# Altium PCB ssmaster.PcbDoc (part 3 of 3)
Units mil, origin at the board's own origin, x right, y up, seen from the top; angles counter-clockwise.
Board outline 4055.12 x 2952.76 mil, 4 copper layers (Top Layer, Ground Plane 1, Mid-Layer 1, Bottom Layer); 141 components, 274 nets, 1070 pads, 469 vias.
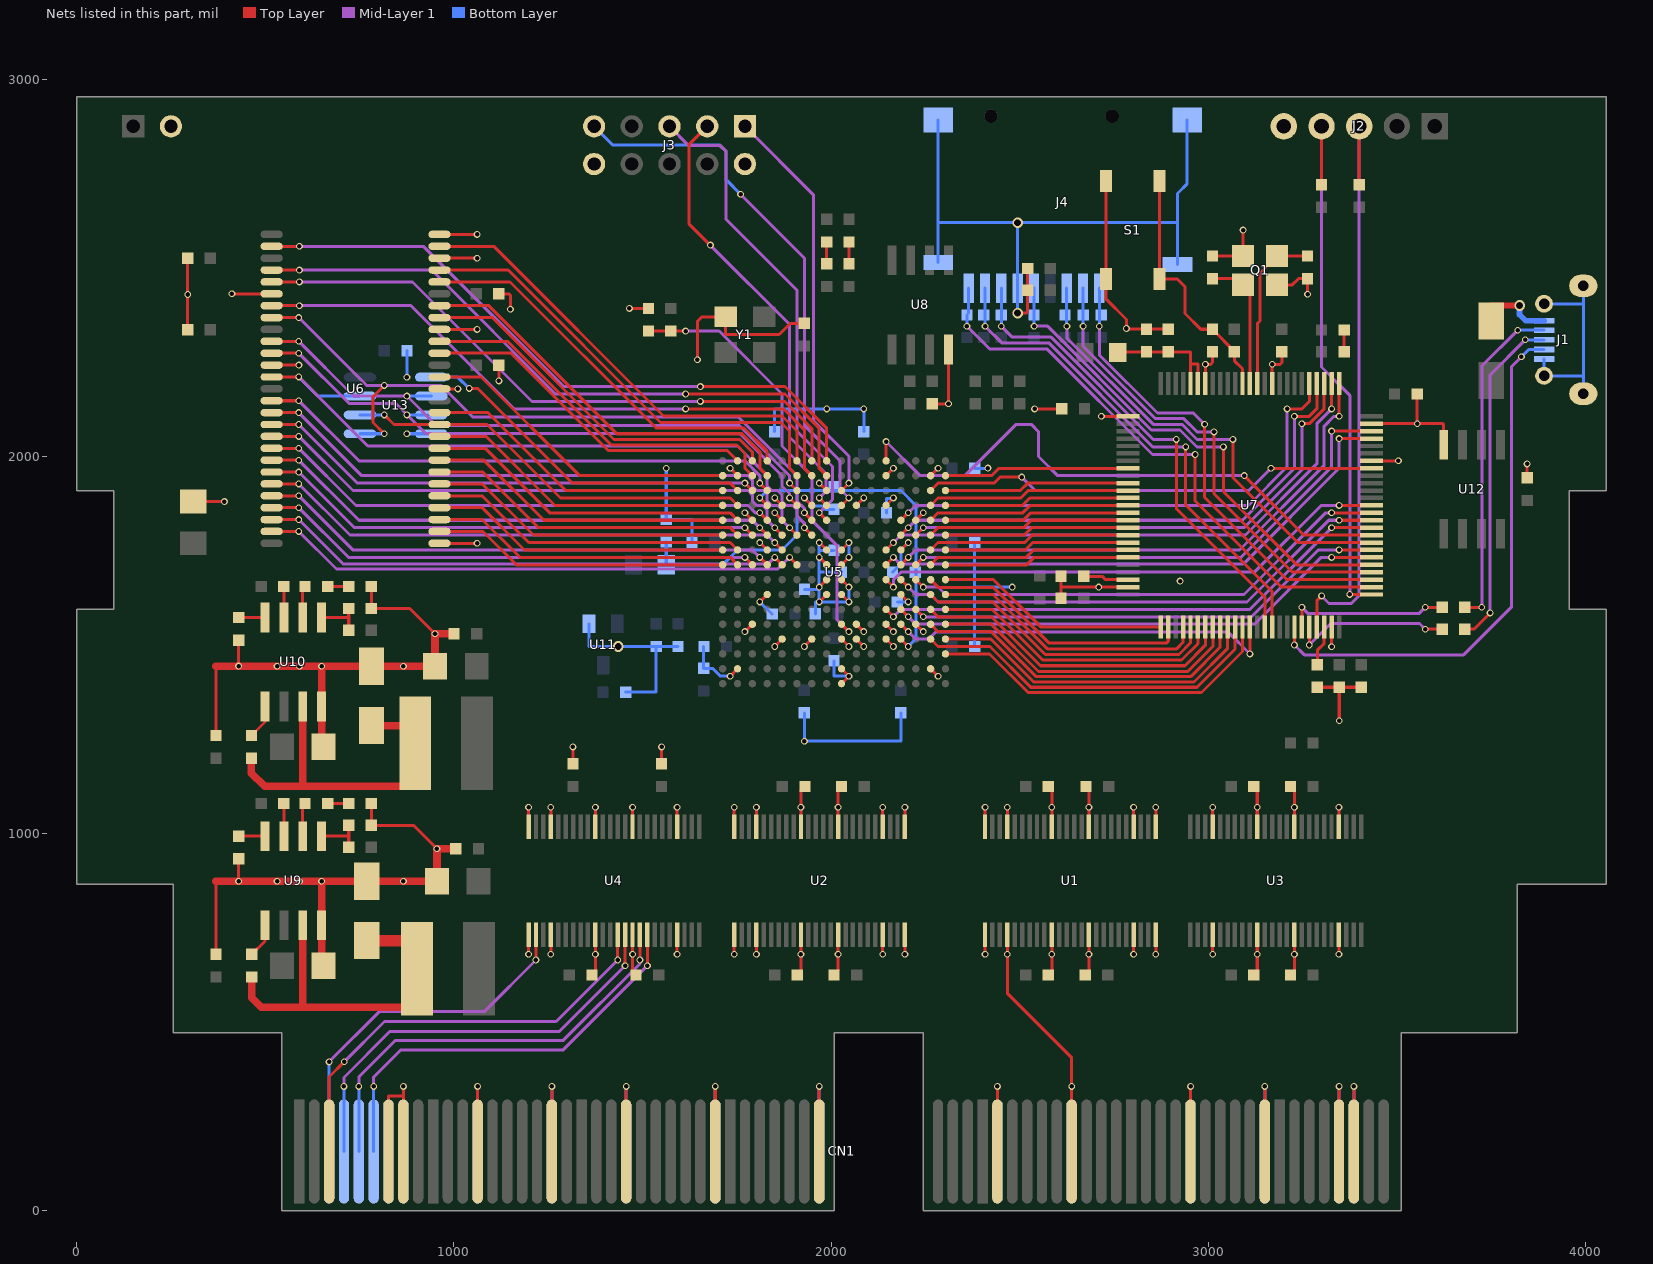
[diagram p5: the nets of this part, all layers, seen from the top]

## Via types
v1: diameter 18, hole 12, Top Layer to Bottom Layer, 444 vias
v2: diameter 28, hole 18, Top Layer to Bottom Layer, 25 vias

## Nets (pads, with @x,y where several pads share a name; then routed paths per layer and width w, separated by ;. In a path a pad name is that pad's centre, name@x,y a point inside that pad or via, vN(x,y) a via of type N, cw(c..) or ccw(c..) an arc to the next point about the centre after c; other vN are vias at no path point) (continued)
GND: C1.1 C2.1 C3.1 C4.1 C5.2 C6.2 C7.2 C8.1 C9.1 C10.1 C11.1 C12.1 C13.1 C14.1 C15.1 C16.2 C17.1 C18.1 C19.1 C20.1 C21.1 C24.2 C25.1 C26.1 C27.1 C30.2 C31.1 C32.1 C33.1 C34.1 C35.1 C36.1 C37.1 C38.1 C39.1 C40.1 C41.1 C42.1 C43.1 C44.1 C45.1 C46.1 C47.1 C48.1 C49.1 C50.1 C51.1 C52.1 C53.1 C54.1 C55.1 C56.1 C57.1 C58.1 C59.1 C60.1 C61.1 C62.1 C63.1 C64.1 C65.1 C66.1 C67.1 C68.1 C69.1 C70.1 C71.1 C72.1 C73.1 C74.1 C75.1 C76.1 C77.1 C78.1 CN1.A8 CN1.A13 CN1.A18 CN1.A23 CN1.A29 CN1.A36 CN1.A41 CN1.A46 CN1.A54 CN1.A59 CN1.A64 CN1.A65 CN1.B7 CN1.B8 CN1.B13 CN1.B18 CN1.B23 CN1.B29 CN1.B36 CN1.B41 CN1.B46 CN1.B54 CN1.B59 CN1.B64 CN1.B65 D5.1 D6.1 J1.5 J1.6 J1.7 J1.8 J1.9 J2.5 J3.2 J3.10 J4.6 J4.10 J4.11 J4.12 J4.13 J5.2 Q1.2 Q1.4 R7.1 R9.2 R10.1 R13.2 R14.1 S1.1 U1.1 U1.4 U1.10 U1.15 U1.21 U1.24 U1.25 U1.28 U1.34 U1.39 U1.45 U1.48 U2.1 U2.4 U2.10 U2.15 U2.21 U2.24 U2.25 U2.28 U2.34 U2.39 U2.45 U2.48 U3.4 U3.10 U3.15 U3.21 U3.28 U3.34 U3.39 U3.45 U4.1 U4.4 U4.10 U4.15 U4.21 U4.28 U4.34 U4.39 U4.45 U4.48 U5.B2 U5.B15 U5.C5 U5.C12 U5.D7 U5.D10 U5.E2 U5.E4 U5.E12 U5.E13 U5.G4 U5.G12 U5.G13 U5.H7 U5.H8 U5.H9 U5.H10 U5.H13 U5.H15 U5.H16 U5.J3 U5.J7 U5.J8 U5.J9 U5.J10 U5.K4 U5.K13 U5.M4 U5.M5 U5.M13 U5.N7 U5.N10 U5.P5 U5.P12 U5.R2 U5.R15 U6.6 U6.12 U6.28 U6.41 U6.46 U6.52 U6.54 U7.10 U7.19 U7.26 U7.49 U7.74 U7.94 U7.99 U8.4 U9.4 U10.4 U11.1 U12.4 U13.4 Y1.2 | length 20732.8
  Top Layer w8: C2.1@294.37,2336 v1(294.37,2429.13) C1.1@294.37,2525 ; C5.2@309.37,1880.12 v1(391.93,1880.12) ; C20.1@369.37,680 369.37,873.03 ; C26.1@369.37,1260 369.37,1443.03 ; v1(411.81,2430.97) U6.6@516.93,2430.97 ; v1(429.37,873.98) C21.1@429.37,933 ; v1(429.37,1443.98) C27.1@429.37,1513 ; U6.12@516.93,2241.99 v1(589.37,2241.99) ; R9.2@781.37,1080 R10.1@781.37,1022 893.25,1022 v1(955.25,960) ; R13.2@781.37,1655 R14.1@781.37,1597 882.99,1597 v1(949.99,1530) ; CN1.B7@826.77,157.48 826.77,305 866.14,305 ; CN1.B8@866.14,157.48 v1(866.14,330) ; U6.28@961.81,1769.55 v1(1061.42,1769.55) ; U6.41@961.81,2179 v1(1010.63,2179) ; U6.46@961.81,2336.48 v1(1061.42,2336.48) ; U6.52@961.81,2525.46 v1(1061.42,2525.46) ; U6.54@961.81,2588.45 v1(1061.42,2588.45) ; CN1.B13@1062.99,157.48 v1(1062.99,330) ; v1(1119.37,2200) C4.1@1119.37,2242 ; C3.1@1119.37,2431 1146,2431 1150,2427 v1(1150,2390) ; v1(1197.99,680) U4.1@1197.99,732.28 ; U4.48@1197.99,1017.72 v1(1197.99,1070) ; v1(1257.05,680) U4.4@1257.05,732.28 ; U4.45@1257.05,1017.72 v1(1257.05,1070) ; CN1.B18@1259.84,157.48 v1(1259.84,330) ; C64.1@1315.63,1185 v1(1315.63,1230) ; C67.1@1375.16,635.16 v1(1375.16,680) U4.10@1375.16,732.28 ; U4.39@1375.16,1017.72 v1(1375.16,1070) ; CN1.B23@1456.69,157.48 v1(1456.69,330) ; v1(1465.2,2392.2) R7.1@1515.75,2392.2 ; C68.1@1473.58,634.42 v1(1473.58,680) U4.15@1473.58,732.28 ; U4.34@1473.58,1017.72 v1(1473.58,1070) ; C63.1@1550.63,1185 v1(1550.63,1230) ; U4.21@1591.69,732.28 v1(1591.69,680) v1@1592.37,679.32 ; U4.28@1591.69,1017.72 v1(1591.69,1070) ; v1(1645.67,2255.91) 1645.67,2358.27 1657.48,2370.08 Y1.2@1720.47,2370.08 1720.47,2322.83 1862.2,2322.83 1892.2,2352.83 C18.1@1929.13,2352.83 ; CN1.B29@1692.91,157.48 v1(1692.91,330) ; v1(1732.28,1417.32) U5.R15@1751.97,1437.01 ; v1(1732.28,1968.5) U5.R2@1751.97,1948.82 ; v1(1742.99,680) U2.1@1742.99,732.28 ; U2.48@1742.99,1017.72 v1(1742.99,1070) ; v1(1771.65,1535.43) U5.P12@1791.34,1555.12 ; v1(1771.65,1850.39) U5.P5@1791.34,1830.71 ; v1(1802.05,680) U2.4@1802.05,732.28 ; U2.45@1802.05,1017.72 v1(1802.05,1070) ; v1(1811.02,1614.17) U5.N10@1830.71,1633.86 ; v1(1811.02,1771.65) U5.N7@1830.71,1751.97 ; v1(1850.39,1496.06) U5.M13@1870.08,1515.75 ; v1(1850.39,1850.39) U5.M5@1870.08,1830.71 ; v1(1850.39,1889.76) U5.M4@1870.08,1870.08 ; C66.1@1920.16,634.53 v1(1920.16,680) U2.10@1920.16,732.28 ; U2.39@1920.16,1017.72 v1(1920.16,1070) C61.1@1920.16,1114.53 ; v1(1929.13,1496.06) U5.K13@1948.82,1515.75 ; v1(1929.13,1889.76) U5.K4@1948.82,1870.08 ; CN1.B36@1968.5,157.48 v1(1968.5,330) ; v1(1968.5,1614.17) U5.J10@1988.19,1633.86 ; v1(1968.5,1653.54) U5.J9@1988.19,1673.23 ; v1(1968.5,1732.28) U5.J8@1988.19,1712.6 ; v1(1968.5,1771.65) U5.J7@1988.19,1751.97 ; v1(1968.5,1929.13) U5.J3@1988.19,1909.45 ; C65.1@2018.58,635.95 v1(2018.58,680) U2.15@2018.58,732.28 ; U2.34@2018.58,1017.72 v1(2018.58,1070) C62.1@2018.58,1115.95 ; U5.H16@2027.56,1397.64 v1(2047.24,1417.32) U5.H15@2027.56,1437.01 ; U5.H13@2027.56,1515.75 v1(2047.24,1496.06) ; U5.H10@2027.56,1633.86 v1(2047.24,1614.17) ; U5.H9@2027.56,1673.23 v1(2047.24,1653.54) ; U5.H8@2027.56,1712.6 v1(2047.24,1732.28) ; U5.H7@2027.56,1751.97 v1(2047.24,1771.65) ; U5.G13@2066.93,1515.75 v1(2086.62,1496.06) ; U5.G12@2066.93,1555.12 v1(2086.62,1535.43) ; U5.G4@2066.93,1870.08 v1(2086.62,1889.76) ; v1(2136.69,680) U2.21@2136.69,732.28 ; U2.28@2136.69,1017.72 v1(2136.69,1070) ; U5.E13@2145.67,1515.75 v1(2165.36,1496.06) ; U5.E12@2145.67,1555.12 v1(2165.36,1535.43) ; U5.E4@2145.67,1870.08 v1(2165.36,1889.76) ; U5.E2@2145.67,1948.82 v1(2165.36,1968.5) ; U5.D10@2185.04,1633.86 v1(2204.73,1614.17) ; U5.D7@2185.04,1751.97 v1(2204.73,1771.65) ; v1(2195.75,680) U2.24@2195.75,732.28 ; U2.25@2195.75,1017.72 v1(2195.75,1070) ; U5.C12@2224.41,1555.12 v1(2244.1,1535.43) ; U5.C5@2224.41,1830.71 v1(2244.1,1850.39) ; U5.B15@2263.78,1437.01 v1(2283.46,1417.32) ; U5.B2@2263.78,1948.82 v1(2283.47,1968.5) ; C17.1@2267.72,2139.29 v1(2311.22,2139.29) U8.4@2311.22,2283.46 ; v1(2407.99,680) U1.1@2407.99,732.28 ; U1.48@2407.99,1017.72 v1(2407.99,1070) ; CN1.B41@2440.95,157.48 v1(2440.95,330) ; U1.4@2467.05,732.28 v1(2467.05,680) 2467.05,576.58 2637.8,405.83 v1(2637.8,330) CN1.B46@2637.8,157.48 ; U1.45@2467.05,1017.72 v1(2467.05,1070) ; v2(2494.46,2380) 2518,2380 2521,2383 C73.1@2521,2440 C74.1@2521,2498 ; v1(2539.37,2125.98) C10.1@2611.73,2125.98 ; C72.1@2585.16,634.53 v1(2585.16,680) U1.10@2585.16,732.28 ; U1.39@2585.16,1017.72 v1(2585.16,1070) C60.1@2585.16,1115.47 ; C11.1@2609.63,1624 C75.1@2609.63,1682 ; 2610.09,1653.54 v1(2709.54,1653.54) U7.49@2787.4,1653.54 ; C71.1@2683.58,634.95 v1(2683.58,680) U1.15@2683.58,732.28 ; U1.34@2683.58,1017.72 v1(2683.58,1070) C59.1@2683.58,1117.05 ; v1@2716.54,2106.3 U7.26@2787.4,2106.3 ; S1.1@2729.13,2729.92 S1.1@2729.13,2470.08 2729.13,2416.87 2783,2363 v1(2783,2339) 2784.91,2337.09 C14.1@2893.7,2337.09 ; v1(2801.69,680) U1.21@2801.69,732.28 ; U1.28@2801.69,1017.72 v1(2801.69,1070) ; v1(2860.75,680) U1.24@2860.75,732.28 ; U1.25@2860.75,1017.72 v1(2860.75,1070) ; CN1.B54@2952.76,157.48 v1(2952.76,330) ; U7.19@2992.13,2192.91 v1(2992.13,2244.09) 3006.09,2244.09 3011,2249 C16.2@3011,2277 ; C7.2@3011,2531 Q1.4@3091.34,2531 ; v1(3011.55,680) U3.4@3011.55,732.28 ; U3.45@3011.55,1017.72 v1(3011.55,1070) ; Q1.4@3091.72,2531.39 v1@3091.72,2599.72 ; C70.1@3129.66,634.03 v1(3129.66,680) U3.10@3129.66,732.28 ; U3.39@3129.66,1017.72 v1(3129.66,1070) C58.1@3129.66,1115.97 ; CN1.B59@3149.61,157.48 v1(3149.61,330) ; U7.10@3169.29,2192.91 v1(3169.29,2244.09) 3190.09,2244.09 3195,2249 C9.1@3195,2277 ; Q1.2@3182.28,2454.61 3222.61,2454.61 3239,2471 C6.2@3263,2471 v1(3263,2430) ; C69.1@3228.08,635.45 v1(3228.08,680) U3.15@3228.08,732.28 ; U3.34@3228.08,1017.72 v1(3228.08,1070) C57.1@3228.08,1114.55 ; C76.1@3289,1388 C12.1@3347,1388 ; v1(3326.77,1495.38) U7.74@3326.77,1547.24 ; v1(3346.19,680) U3.21@3346.19,732.28 ; U3.28@3346.19,1017.72 v1(3346.19,1070) ; CN1.B64@3346.46,157.48 v1(3346.46,330) ; v1(3347,1299) C12.1@3347,1388 ; CN1.B65@3385.83,157.48 v1(3385.83,330) ; C13.1@3405,1388 C12.1@3347,1388 ; U7.94@3433.07,1988.19 v1(3503.94,1988.19) ; U7.99@3433.07,2086.61 3503.94,2086.61 v1(3553.62,2086.61) ; C8.1@3553.62,2165.35 v1(3553.62,2086.61) ; U12.4@3624,2031.11 3624,2084 3621.39,2086.61 v1(3553.62,2086.61) ; C77.1@3845,1943 v1(3845,1980)
  Top Layer w20: 369.37,873.74 v1(531.5,873.74) v1(590.55,873.74) D5.1@769.37,873.74 v1(866.14,873.74) C24.2@954.99,873.74 ; 369.37,1443.74 v1(531.5,1443.74) v1(590.55,1443.74) D6.1@781.37,1443.74 v1(866.14,1443.74) 949.99,1443.74 v1(949.99,1530) C55.1@1000.37,1530 ; C19.1@649.37,655.12 U9.4@649.37,756.89 v1(649.37,873.74) ; C25.1@649.37,1235.12 U10.4@649.37,1336.89 v1(649.37,1443.5) ; C24.2@955.25,874 v1(955.25,960) C54.1@1005.37,960
  Bottom Layer w8: CN1.A8@866.14,157.48 v1(866.14,330) ; v1(875.63,2060) U13.4@940.12,2060 ; v1(875.63,2210) C78.1@875.63,2280 ; CN1.A13@1062.99,157.48 v1(1062.99,330) ; CN1.A18@1259.84,157.48 v1(1259.84,330) ; U11.1@1358.23,1555.92 1358.23,1496 C32.1@1536.37,1496 ; C31.1@1455.56,1375 1536.37,1375 C32.1@1536.37,1496 ; CN1.A23@1456.69,157.48 v1(1456.69,330) ; v1(1562.99,1968.5) C49.1@1562.99,1833.15 1631.42,1833.15 C40.1@1631.42,1771.65 ; C56.1@1594.37,1496 C32.1@1536.37,1496 ; C41.1@1662.37,1495.52 C39.1@1662.37,1438 1686.37,1438 1707.05,1417.32 v1(1732.28,1417.32) ; CN1.A29@1692.91,157.48 v1(1692.91,330) ; v1(1811.02,1614.17) C52.1@1843.19,1582 ; C47.1@1850.39,2065.43 1850.39,2125.98 v1(1988.19,2125.98) v1(2086.61,2125.98) C46.1@2086.61,2065.43 ; C42.1@1929.13,1320.39 v1(1929.13,1245) 2185.04,1245 C43.1@2185.04,1320.39 ; v1(1929.13,1889.76) 1950.5,1868.39 1975.96,1868.39 1984.59,1859.76 C50.1@2007.87,1859.76 ; C37.1@1929.37,1647.44 1968.5,1647.44 v1(1968.5,1614.17) v1(2047.24,1614.17) v1(2047.24,1653.54) ; C38.1@1958.19,1582.68 1958.19,1614.17 ; CN1.A36@1968.5,157.48 v1(1968.5,330) ; v1(1968.5,1653.54) v1(1968.5,1732.28) v1(1968.5,1771.65) ; 1968.5,1692.91 C36.1@2027.28,1692.91 ; 1969.37,1751.1 C35.1@2007.87,1751.1 ; C53.1@2007.87,1458.19 2007.87,1417.32 v1(2047.24,1417.32) ; v1(2047.24,1732.28) v1(2047.24,1771.65) ; C33.1@2146.61,1850.39 2146.61,1888.82 v1@2164.41,1888.82 ; C51.1@2162.91,1692.91 2185.04,1715.04 2185.04,1751.97 v1(2204.73,1771.65) ; C34.1@2175.67,1614.17 v1(2204.73,1614.17) ; J4.11@2284,2514 J4.12@2284,2892 ; 2284.54,2619.54 v2(2494.46,2619.54) ; C44.1@2380.39,1496.06 2380.39,1653.54 ; C45.1@2380.39,1771.65 2380.39,1653.54 ; C48.1@2380.39,1968.5 v1@2415.63,1968.5 ; CN1.A41@2440.95,157.48 v1(2440.95,330) ; v1(2480.32,1653.54) 2380.39,1653.54 ; v2(2494.46,2380) J4.6@2494.46,2446 v2(2494.46,2619.54) ; CN1.A46@2637.8,157.48 v1(2637.8,330) ; 2917.46,2619.54 v2(2494.46,2619.54) ; J4.10@2918,2509 2918,2697 2944,2723 J4.13@2944,2892 ; CN1.A54@2952.76,157.48 v1(2952.76,330) ; CN1.A59@3149.61,157.48 v1(3149.61,330) ; CN1.A64@3346.46,157.48 v1(3346.46,330) ; CN1.A65@3385.83,157.48 v1(3385.83,330) ; J1.5@3890,2258 J1.9@3890,2213.5 3992.5,2213.5 ; J1.8@3890,2404.5 3993.5,2404.5 ; J1.6@3994,2166 J1.7@3994,2452
  other v1: 2925.2,1669.29 2415.63,1969 2716.54,2106.2 3092,2600
  other v2: 1435.63,1496
GPIO0: U5.A2 U7.33 | length 492.4
  Top Layer w8: U5.A2@2303.15,1948.82 2425.45,1948.82 2445.13,1968.5 U7.33@2787.4,1968.5
GPIO2: U5.A3 U7.35 | length 492.4
  Top Layer w8: U5.A3@2303.15,1909.45 2501.45,1909.45 2521.13,1929.13 U7.35@2787.4,1929.13
GPIO3: U5.B4 U7.36 | length 539.9
  Top Layer w8: U5.B4@2263.78,1870.08 2283.46,1889.76 2502.76,1889.76 2522.45,1909.45 U7.36@2787.4,1909.45
I2S2_MCK: U5.D12 U7.63 | length 1043.6
  Top Layer w8: U5.D12@2185.04,1555.12 v1(2204.73,1535.43) ; v1(3110.24,1476.38) U7.63@3110.24,1547.24
  Mid-Layer 1 w8: v1(2204.73,1535.43) 2224.16,1516 2259,1516 2277,1534 3052.61,1534 v1(3110.24,1476.38)
IBCK: CN1.A5 U4.16 | length 1143.9
  Top Layer w8: v1(1493.27,665) U4.16@1493.27,732.28
  Mid-Layer 1 w8: v1(748.03,330) 748.03,354.66 845.37,452 1290,452 1493.27,655.27 v1(1493.27,665)
  Bottom Layer w8: CN1.A5@748.03,157.48 v1(748.03,330)
ILRCK: CN1.A6 U4.17 | length 1127.5
  Top Layer w8: v1(1512.95,650) U4.17@1512.95,732.28
  Mid-Layer 1 w8: v1(787.4,330) 787.4,354.97 858.43,426 1288.95,426 v1(1512.95,650)
  Bottom Layer w8: CN1.A6@787.4,157.48 v1(787.4,330)
ISD: CN1.A4 U4.14 | length 1146.5
  Top Layer w8: v1(1453.9,650) U4.14@1453.9,732.28
  Mid-Layer 1 w8: v1(708.66,330) 708.66,353.71 830.95,476 1279.9,476 v1(1453.9,650)
  Bottom Layer w8: CN1.A4@708.66,157.48 v1(708.66,330)
MA0: U5.N8 U6.23 | length 1389.9
  Top Layer w8: U6.23@516.93,1895.54 v1(588.98,1895.54) ; v1(1811.02,1732.28) U5.N8@1830.71,1712.6
  Mid-Layer 1 w8: v1(588.98,1895.54) 732.96,1751.55 1139.98,1751.55 1140.4,1751.97 1791.34,1751.97 v1(1811.02,1732.28)
MA1: U5.P8 U6.24 | length 1337.1
  Top Layer w8: U6.24@516.93,1864.04 v1(588.98,1864.04) ; v1(1771.65,1732.28) U5.P8@1791.34,1712.6
  Mid-Layer 1 w8: v1(588.98,1864.04) 720.73,1732.28 v1(1771.65,1732.28)
MA2: U5.M8 U6.25 | length 1417.7
  Top Layer w8: U6.25@516.93,1832.54 v1(588.98,1832.54) ; v1(1850.39,1732.28) U5.M8@1870.08,1712.6
  Mid-Layer 1 w8: v1(588.98,1832.54) 707.23,1714.28 1832.39,1714.28 v1(1850.39,1732.28)
MA3: U5.L8 U6.26 | length 1454.8
  Top Layer w8: U6.26@516.93,1801.05 v1(588.98,1801.05) ; v1(1889.76,1732.28) U5.L8@1909.45,1712.6
  Mid-Layer 1 w8: v1(588.98,1801.05) 688.74,1701.28 1858.76,1701.28 v1(1889.76,1732.28)
MA4: U5.T8 U6.29 | length 787.4
  Top Layer w8: U6.29@961.81,1801.05 1077.32,1801.05 1165.77,1712.6 U5.T8@1712.6,1712.6
MA5: U5.R8 U6.30 | length 839.8
  Top Layer w8: U6.30@961.81,1832.54 1074.83,1832.54 1175.09,1732.28 1732.28,1732.28 U5.R8@1751.97,1712.6
MA6: U5.T7 U6.31 | length 797.2
  Top Layer w8: U6.31@961.81,1864.04 1075.33,1864.04 1187.4,1751.97 U5.T7@1712.6,1751.97
MA7: U5.R7 U6.32 | length 849.6
  Top Layer w8: U6.32@961.81,1895.54 1074.83,1895.54 1198.72,1771.65 1732.28,1771.65 U5.R7@1751.97,1751.97
MA8: U5.T6 U6.33 | length 807
  Top Layer w8: U6.33@961.81,1927.03 1075.34,1927.03 1211.03,1791.34 U5.T6@1712.6,1791.34
MA9: U5.R6 U6.34 | length 859.4
  Top Layer w8: U6.34@961.81,1958.53 1076.84,1958.53 1224.35,1811.02 1732.28,1811.02 U5.R6@1751.97,1791.34
MA10: U5.M7 U6.22 | length 1425.7
  Top Layer w8: U6.22@516.93,1927.03 v1(588.98,1927.03) ; v1(1850.39,1771.65) U5.M7@1870.08,1751.97
  Mid-Layer 1 w8: v1(588.98,1927.03) 724.67,1791.34 1830.71,1791.34 v1(1850.39,1771.65)
MA11: U5.T5 U6.35 | length 816.8
  Top Layer w8: U6.35@961.81,1990.02 1079.35,1990.02 1238.66,1830.71 U5.T5@1712.6,1830.71
MA12: U5.R5 U6.36 | length 869.2
  Top Layer w8: U6.36@961.81,2021.52 1082.85,2021.52 1253.98,1850.39 1732.28,1850.39 U5.R5@1751.97,1830.71
MBA0: U5.N6 U6.20 | length 1396.1
  Top Layer w8: U6.20@516.93,1990.02 v1(588.98,1990.02) ; v1(1811.02,1811.02) U5.N6@1830.71,1791.34
  Mid-Layer 1 w8: v1(588.98,1990.02) 748.29,1830.71 1791.34,1830.71 v1(1811.02,1811.02)
MBA1: U5.P6 U6.21 | length 1343.7
  Top Layer w8: U6.21@516.93,1958.53 v1(588.98,1958.53) ; v1(1771.65,1811.02) U5.P6@1791.34,1791.34
  Mid-Layer 1 w8: v1(588.98,1958.53) 736.48,1811.02 v1(1771.65,1811.02)
MCAS: U5.P3 U6.17 | length 1346.9
  Top Layer w8: U6.17@516.93,2084.51 v1(588.98,2084.51) ; v1(1771.65,1929.13) U5.P3@1791.34,1909.45
  Mid-Layer 1 w8: v1(588.98,2084.51) 744.35,1929.13 v1(1771.65,1929.13)
MCKE: U5.T4 U6.37 | length 826.6
  Top Layer w8: U6.37@961.81,2053.02 1085.35,2053.02 1268.29,1870.08 U5.T4@1712.6,1870.08
MCLK: U5.R4 U6.38 U13.6 | length 1100.2
  Top Layer w8: v1(815.63,2110) 841.12,2084.51 U6.38@961.81,2084.51 1087.86,2084.51 1282.61,1889.76 1732.28,1889.76 U5.R4@1751.97,1870.08
  Bottom Layer w8: U13.6@751.14,2110 v1(815.63,2110)
MCS: U5.N5 U6.19 | length 1392.8
  Top Layer w8: U6.19@516.93,2021.52 v1(588.98,2021.52) ; v1(1811.02,1850.39) U5.N5@1830.71,1830.71
  Mid-Layer 1 w8: v1(588.98,2021.52) 740.42,1870.08 1779.53,1870.08 1799.21,1850.39 v1(1811.02,1850.39)
MD0: U5.J1 U6.2 | length 1757.6
  Top Layer w8: U6.2@516.93,2556.95 v1(590.55,2556.95) ; v1(1653.54,2185.04) 1877.96,2185.04 1988.19,2074.81 U5.J1@1988.19,1988.19
  Mid-Layer 1 w8: v1(590.55,2556.95) 919.05,2556.95 1290.96,2185.04 v1(1653.54,2185.04)
MD1: U5.J2 U6.4 | length 1759.2
  Top Layer w8: U6.4@516.93,2493.96 v1(590.55,2493.96) ; v1(1614.17,2165.35) 1877.65,2165.35 1968.5,2074.5 1968.5,1968.5 U5.J2@1988.19,1948.82
  Mid-Layer 1 w8: v1(590.55,2493.96) 941.04,2493.96 1269.65,2165.35 v1(1614.17,2165.35)
MD2: U5.K1 U6.5 | length 1678.7
  Top Layer w8: U6.5@516.93,2462.46 v1(590.55,2462.46) ; v1(1653.54,2145.67) 1877.33,2145.67 1948.82,2074.18 U5.K1@1948.82,1988.19
  Mid-Layer 1 w8: v1(590.55,2462.46) 890.17,2462.46 1206.96,2145.67 v1(1653.54,2145.67)
MD3: U5.K2 U6.7 | length 1678.5
  Top Layer w8: U6.7@516.93,2399.47 v1(590.55,2399.47) ; v1(1614.17,2125.98) 1874.02,2125.98 1929.13,2070.87 1929.13,1968.5 U5.K2@1948.82,1948.82
  Mid-Layer 1 w8: v1(590.55,2399.47) 886.16,2399.47 1159.65,2125.98 v1(1614.17,2125.98)
MD4: U5.K5 U6.8 U13.5 | length 1917.9
  Top Layer w8: U6.8@516.93,2367.98 v1(588.98,2367.98) ; v1(815.63,2060) 785.63,2090 785.63,2158 v1(815.63,2188) ; v1(1929.13,1850.39) U5.K5@1948.82,1830.71
  Mid-Layer 1 w8: v1(588.98,2367.98) 768.95,2188 v1(815.63,2188) 966.63,2188 1049.63,2105 1753.26,2105 1909.45,1948.82 1909.45,1881.89 1929.13,1862.21 v1(1929.13,1850.39)
  Bottom Layer w8: U13.5@751.14,2060 v1(815.63,2060)
MD5: U5.L3 U6.10 U13.2 | length 1632.4
  Top Layer w8: U6.10@516.93,2304.98 v1(588.98,2304.98) ; v1(1889.76,1929.13) U5.L3@1909.45,1909.45
  Mid-Layer 1 w8: v1(588.98,2304.98) 733.96,2160 v1(875.63,2160) 953.63,2082 1756.58,2082 1889.76,1948.82 v1(1889.76,1929.13)
  Bottom Layer w8: v1(875.63,2160) U13.2@940.12,2160
MD6: U5.L4 U6.11 U13.3 | length 1647.2
  Top Layer w8: U6.11@516.93,2273.49 v1(588.98,2273.49) ; v1(1889.76,1889.76) U5.L4@1909.45,1870.08
  Mid-Layer 1 w8: v1(588.98,2273.49) 722.46,2140 845.63,2140 v1(875.63,2110) 924.63,2061 1757.89,2061 1870.08,1948.82 1870.08,1921.26 1889.76,1901.58 v1(1889.76,1889.76)
  Bottom Layer w8: v1(875.63,2110) U13.3@940.12,2110
MD7: U5.K6 U6.13 U13.7 | length 1830.1
  Top Layer w8: U6.13@516.93,2210.5 v1(588.98,2210.5) ; v1(1929.13,1811.02) U5.K6@1948.82,1791.34
  Mid-Layer 1 w8: v1(588.98,2210.5) 771.91,2027.56 1751.96,2027.56 1830.71,1948.82 1830.71,1921.26 1842.52,1909.45 1858.27,1909.45 1870.08,1897.64 1870.08,1881.89 1881.89,1870.08 1897.64,1870.08 1909.45,1858.27 1909.45,1842.52 1929.13,1822.84 v1(1929.13,1811.02)
  Bottom Layer w8: v1(588.98,2210.5) 639.47,2160 U13.7@751.14,2160
MD8: U5.T2 U6.42 | length 859.2
  Top Layer w8: U6.42@961.81,2210.5 1071.87,2210.5 1333.55,1948.82 U5.T2@1712.6,1948.82
MD9: U5.R1 U6.44 | length 908.3
  Top Layer w8: U6.44@961.81,2273.49 1151.51,2273.49 1410,2015 1725.16,2015 U5.R1@1751.97,1988.19
MD10: U5.P2 U6.45 | length 1000.1
  Top Layer w8: U6.45@961.81,2304.98 1142.4,2304.98 1417.38,2030 1749.52,2030 1771.65,2007.87 1771.65,1968.5 U5.P2@1791.34,1948.82
MD11: U5.P1 U6.47 | length 1000.7
  Top Layer w8: U6.47@961.81,2367.98 1101.79,2367.98 1424.77,2045 1758.15,2045 1791.34,2011.81 U5.P1@1791.34,1988.19
MD12: U5.N2 U6.48 | length 1081.3
  Top Layer w8: U6.48@961.81,2399.47 1092.53,2399.47 1432,2060 1763.53,2060 1811.02,2012.51 1811.02,1968.5 U5.N2@1830.71,1948.82
MD13: U5.N1 U6.50 | length 1080.1
  Top Layer w8: U6.50@961.81,2462.46 1148.91,2462.46 1536.37,2075 1769,2075 1830.71,2013.29 U5.N1@1830.71,1988.19
MD14: U5.L2 U6.51 | length 1231.3
  Top Layer w8: U6.51@961.81,2493.96 1144.04,2493.96 1548,2090 1867,2090 1889.76,2067.24 1889.76,1968.5 U5.L2@1909.45,1948.82
MD15: U5.L1 U6.53 | length 1229.7
  Top Layer w8: U6.53@961.81,2556.95 1106.05,2556.95 1556,2107 1870,2107 1909.45,2067.55 U5.L1@1909.45,1988.19
MLDQM: U5.N3 U6.15 | length 1423.9
  Top Layer w8: U6.15@516.93,2147.5 v1(588.98,2147.5) ; v1(1811.02,1929.13) U5.N3@1830.71,1909.45
  Mid-Layer 1 w8: v1(588.98,2147.5) 748.29,1988.19 1771.65,1988.19 1811.02,1948.82 v1(1811.02,1929.13)
MRAS: U5.M6 U6.18 | length 1486.9
  Top Layer w8: U6.18@516.93,2053.02 v1(588.98,2053.02) ; v1(1850.39,1811.02) U5.M6@1870.08,1791.34
  Mid-Layer 1 w8: v1(588.98,2053.02) 732.54,1909.45 1779.53,1909.45 1791.34,1897.64 1791.34,1881.89 1803.15,1870.08 1818.9,1870.08 1830.71,1858.27 1830.71,1830.71 v1(1850.39,1811.02)
MSEL1: R6.1 R7.2 U5.H12 | length 1154.6
  Top Layer w8: R7.2@1515.75,2332.2 R6.1@1574.8,2332.2 v1(1614.17,2332.2) ; U5.H12@2027.56,1555.12 v1(2047.24,1535.43)
  Mid-Layer 1 w8: v1(1614.17,2332.2) 1703.23,2332.2 1870.08,2165.35 1870.08,2027.56 1948.82,1948.82 1948.82,1830.71 2016.24,1763.28 2016.24,1566.43 v1(2047.24,1535.43)
MUDQM: U5.T3 U6.39 | length 836.3
  Top Layer w8: U6.39@961.81,2116.01 1090.36,2116.01 1296.92,1909.45 U5.T3@1712.6,1909.45
MWE: U5.L6 U6.16 | length 1563.9
  Top Layer w8: U6.16@516.93,2116.01 v1(588.98,2116.01) ; v1(1889.76,1811.02) U5.L6@1909.45,1791.34
  Mid-Layer 1 w8: v1(588.98,2116.01) 756.16,1948.82 1779.53,1948.82 1791.34,1937.01 1791.34,1921.26 1803.15,1909.45 1822.83,1909.45 1830.71,1901.57 1830.71,1881.89 1842.52,1870.08 1858.27,1870.08 1870.08,1858.27 1870.08,1830.71 v1(1889.76,1811.02)
NetC14_2: C14.2 C15.2 L1.2 U7.20 U7.21 | length 346.5
  Top Layer w8: L1.2@2761.34,2277.09 C14.2@2893.7,2277.09 2952.76,2277.09 U7.21@2952.76,2192.91 ; 2953.48,2244.81 2972.44,2244.81 U7.20@2972.44,2192.91
NetC16_1: C16.1 R1.1 S1.2 U7.14 | length 673.7
  Top Layer w8: S1.2@2870.87,2729.92 S1.2@2870.87,2470.08 2917.92,2470.08 2938,2450 2938,2379 2980,2337 C16.1@3011,2337 3069,2279 R1.1@3069,2277 3069,2253.83 3090.55,2232.28 U7.14@3090.55,2192.91
NetC21_2: C21.2 U9.8 | length 69.9
  Top Layer w8: C21.2@429.48,993.11 U9.8@499.37,993.11
NetC22_1: C22.1 R9.1 | length 56
  Top Layer w8: C22.1@665.37,1080 R9.1@721.37,1080
NetC22_2: C22.2 U9.6 | length 80.9
  Top Layer w8: U9.6@599.37,993.11 C22.2@599.37,1074
NetC23_1: C23.1 D5.2 L2.1 U9.3 | length 878.6
  Top Layer w20: C23.1@464.37,620 464.37,565 489.37,540 599.37,540 ; U9.3@599.37,756.89 599.37,540 ; L2.1@902.68,540 599.37,540
  Top Layer w30: D5.2@769.37,716.26 L2.1@927.37,716.26
NetC23_2: C23.2 U9.1 | length 91.4
  Top Layer w8: C23.2@464.37,680 499.37,715 U9.1@499.37,756.89
NetC27_2: C27.2 U10.8 | length 69.9
  Top Layer w8: C27.2@429.48,1573.11 U10.8@499.37,1573.11
NetC28_1: C28.1 R13.1 | length 56
  Top Layer w8: C28.1@665.37,1655 R13.1@721.37,1655
NetC28_2: C28.2 U10.6 | length 75.9
  Top Layer w8: U10.6@599.37,1573.11 C28.2@599.37,1649
NetC29_1: C29.1 D6.2 L3.1 U10.3 | length 876.4
  Top Layer w20: C29.1@463.37,1200 463.37,1160 498.37,1125 L3.1@927.37,1125 ; 599.37,1125 U10.3@599.37,1336.89 ; D6.2@781.37,1286.26 L3.1@927.37,1286.26
NetC29_2: C29.2 U10.1 | length 91.8
  Top Layer w8: C29.2@463.37,1260 499.37,1296 U10.1@499.37,1336.89
NetC49_2: C49.2 C50.2 C51.2 L4.2 U5.D13 U5.N4 | length 1433.4
  Top Layer w8: v1(1811.02,1889.76) U5.N4@1830.71,1870.08 ; U5.D13@2185.04,1515.75 v1(2204.73,1496.06)
  Bottom Layer w8: C49.2@1562.99,1773.15 L4.2@1562.99,1712.6 1712.6,1712.6 1751.97,1751.97 1870.08,1751.97 1909.45,1791.33 1909.45,1909.45 ; v1(1811.02,1889.76) 1830.71,1909.45 1909.45,1909.45 ; v1(2204.73,1496.06) 2224.41,1515.75 2224.41,1870.08 2185.04,1909.45 1909.45,1909.45
NetC75_2: C75.2 U7.48 | length 121.4
  Top Layer w8: C75.2@2669.63,1682 2718.63,1682 2727.4,1673.23 U7.48@2787.4,1673.23
NetC76_2: C76.2 U7.73 | length 106.7
  Top Layer w8: C76.2@3289,1448 3289,1486 3307.09,1504.09 U7.73@3307.09,1547.24
NetD1_2: D1.2 R2.1 | length 58
  Top Layer w8: D1.2@3360,2277 R2.1@3360,2335
NetD2_2: D2.2 R16.2 | length 58.1
  Top Layer w8: R16.2@2047.24,2510.32 D2.2@2047.24,2568.43
NetD3_2: D3.2 R17.2 | length 58.1
  Top Layer w8: R17.2@1988.19,2510.32 D3.2@1988.19,2568.43
NetD7_1: D7.1 J1.1 | length 170.6
  Top Layer w15: D7.1@3750,2400 v2(3825,2400)
  Bottom Layer w15: v2(3825,2400) 3825,2376 3841,2360 J1.1@3890,2360
NetJ1_2: J1.2 R22.1 | length 888.9
  Top Layer w8: R22.1@3680,1600 v1(3725,1600)
  Mid-Layer 1 w8: v1(3725,1600) 3725,2239.5 v1(3820,2334.5)
  Bottom Layer w8: v1(3820,2334.5) J1.2@3890,2334.5
NetJ1_3: J1.3 R23.1 | length 897.3
  Top Layer w8: R23.1@3680,1542 3704,1542 v1(3747,1585)
  Mid-Layer 1 w8: v1(3747,1585) 3747,2216 v1(3840,2309)
  Bottom Layer w8: v1(3840,2309) J1.3@3890,2309
NetR8_1: R8.1 U9.7 | length 86.9
  Top Layer w8: U9.7@549.37,993.11 R8.1@549.37,1080
NetR10_2: R10.2 R11.2 U9.5 | length 128.9
  Top Layer w8: U9.5@649.37,993.11 720.26,993.11 ; R11.2@721.37,964 R10.2@721.37,1022
NetR12_1: R12.1 U10.7 | length 81.9
  Top Layer w8: U10.7@549.37,1573.11 R12.1@549.37,1655
NetR14_2: R14.2 R15.2 U10.5 | length 128.9
  Top Layer w8: U10.5@649.37,1573.11 720.26,1573.11 ; R15.2@721.37,1539 R14.2@721.37,1597
OSC_IN: C6.1 Q1.3 U7.12 | length 440.5
  Top Layer w8: U7.12@3129.92,2192.91 3129.92,2351.92 3137,2359 3137,2486.11 Q1.3@3182.28,2531.39 C6.1@3262.61,2531.39
OSC_OUT: C7.1 Q1.1 U7.13 | length 307.5
  Top Layer w8: C7.1@3011,2471 Q1.1@3075.34,2471 ; U7.13@3110.24,2192.91 Q1.1@3110.24,2436.1
SA16: U5.A12 U7.58 | length 839
  Top Layer w8: U5.A12@2303.15,1555.12 2424.88,1555.12 2550,1430 2945.75,1430 3011.81,1496.06 U7.58@3011.81,1547.24
SA17: U5.B12 U7.59 | length 910.6
  Top Layer w8: U5.B12@2263.78,1555.12 2283.46,1535.43 2424.57,1535.43 2544,1416 2953,1416 3031.5,1494.5 U7.59@3031.5,1547.24
SA18: U5.A13 U7.60 | length 888.2
  Top Layer w8: U5.A13@2303.15,1515.75 2423.25,1515.75 2537,1402 2962,1402 3051.18,1491.18 U7.60@3051.18,1547.24
SA19: U5.E7 U7.2 | length 1465.2
  Top Layer w8: U5.E7@2145.67,1751.97 v1(2165.36,1771.65) ; v1(3326.77,2125.98) U7.2@3326.77,2192.91
  Mid-Layer 1 w8: v1(2165.36,1771.65) 2185.04,1791.34 3098.43,1791.34 3287.4,1980.32 3287.4,2086.61 v1(3326.77,2125.98)
SA20: U5.C6 U7.3 | length 1359.7
  Top Layer w8: U5.C6@2224.41,1791.34 v1(2244.1,1811.02) ; v1(3248.03,2086.61) 3267.72,2086.61 3307.09,2125.98 U7.3@3307.09,2192.91
  Mid-Layer 1 w8: v1(2244.1,1811.02) 3094.49,1811.02 3248.03,1964.57 v1(3248.03,2086.61)
SA21: U5.D6 U7.4 | length 1388.6
  Top Layer w8: U5.D6@2185.04,1791.34 v1(2204.73,1811.02) ; v1(3228.35,2106.3) 3267.72,2106.3 3287.4,2125.98 U7.4@3287.4,2192.91
  Mid-Layer 1 w8: v1(2204.73,1811.02) 2224.41,1830.71 3090.55,1830.71 3228.35,1968.5 v1(3228.35,2106.3)
SA22: U5.D5 U7.5 | length 1350.3
  Top Layer w8: U5.D5@2185.04,1830.71 v1(2204.73,1850.39) ; v1(3208.66,2125.98) 3248.03,2125.98 3267.72,2145.67 U7.5@3267.72,2192.91
  Mid-Layer 1 w8: v1(2204.73,1850.39) 2224.41,1870.08 3106.3,1870.08 3208.66,1972.44 v1(3208.66,2125.98)
SA23: U5.D8 U7.1 | length 1471.9
  Top Layer w8: U5.D8@2185.04,1712.6 v1(2204.73,1732.28) ; v1(3346.46,2106.3) U7.1@3346.46,2192.91
  Mid-Layer 1 w8: v1(2204.73,1732.28) 2224.41,1751.97 3082.68,1751.97 3307.09,1976.38 3307.09,2080.09 3333.3,2106.3 v1(3346.46,2106.3)
SADV: U5.B3 U7.93 | length 1222.7
  Top Layer w8: U5.B3@2263.78,1909.45 2283.46,1929.13 2431.63,1929.13 2447.5,1945 v1(2505.63,1945) ; v1(3166.13,1968.5) U7.93@3433.07,1968.5
  Mid-Layer 1 w8: v1(2505.63,1945) 2540.63,1910 3107.62,1910 v1(3166.13,1968.5)
SCE1: U5.E9 U7.88 | length 1396.8
  Top Layer w8: U5.E9@2145.67,1673.23 v1(2165.35,1653.54) ; v1(3346.45,1870.08) U7.88@3433.07,1870.08
  Mid-Layer 1 w8: v1(2165.35,1653.54) 2165.35,1673.23 2185.04,1692.91 3122.05,1692.91 3299.21,1870.08 v1(3346.45,1870.08)
SCLK: U5.E1 U7.84 | length 1592.9
  Top Layer w8: U5.E1@2145.67,1988.19 v1(2145.67,2039.37) ; v1(3095,1949) 3252.66,1791.34 U7.84@3433.07,1791.34
  Mid-Layer 1 w8: v1(2145.67,2039.37) 2236.22,1948.82 2354.45,1948.82 2490.63,2085 2530.63,2085 2550,2065.63 2550,1999.63 2600.81,1948.82 3094.82,1948.82 v1(3095,1949)
SD0: U5.B13 U7.61 | length 960.2
  Top Layer w8: U5.B13@2263.78,1515.75 2283.46,1496.06 2420.94,1496.06 2529,1388 2970,1388 3070.87,1488.87 U7.61@3070.87,1547.24
SD1: U5.A14 U7.62 | length 939.5
  Top Layer w8: U5.A14@2303.15,1476.38 2420.15,1476.38 2522.52,1374 2982,1374 3090.55,1482.55 U7.62@3090.55,1547.24
SD2: U5.D11 U7.81 | length 1337.7
  Top Layer w8: U5.D11@2185.04,1594.49 v1(2204.73,1574.8) ; v1(3326.77,1732.28) U7.81@3433.07,1732.28
  Mid-Layer 1 w8: v1(2204.73,1574.8) 2224.41,1555.12 3122.12,1555.12 3299.28,1732.28 v1(3326.77,1732.28)
SD3: U5.C11 U7.82 | length 1290.2
  Top Layer w8: U5.C11@2224.41,1594.49 v1(2244.1,1574.8) ; v1(3346.45,1751.97) U7.82@3433.07,1751.97
  Mid-Layer 1 w8: v1(2244.1,1574.8) 3114.17,1574.8 3291.34,1751.97 v1(3346.45,1751.97)
SD4: U5.A4 U7.37 | length 492.4
  Top Layer w8: U5.A4@2303.15,1870.08 2500.63,1870.04 2507.04,1870.04 2526.76,1889.76 U7.37@2787.4,1889.76
SD5: U5.B5 U7.38 | length 539.9
  Top Layer w8: U5.B5@2263.78,1830.71 2283.46,1850.39 2508.39,1850.39 2528.08,1870.08 U7.38@2787.4,1870.08
SD6: U5.A5 U7.39 | length 492.4
  Top Layer w8: U5.A5@2303.15,1830.71 2509.71,1830.71 2529.39,1850.39 U7.39@2787.4,1850.39
SD7: U5.B6 U7.40 | length 539.9
  Top Layer w8: U5.B6@2263.78,1791.34 2283.46,1811.02 2511.02,1811.02 2530.71,1830.71 U7.40@2787.4,1830.71
SD8: U5.A6 U7.41 | length 492.4
  Top Layer w8: U5.A6@2303.15,1791.34 2512.34,1791.34 2532.02,1811.02 U7.41@2787.4,1811.02
SD9: U5.B7 U7.42 | length 539.9
  Top Layer w8: U5.B7@2263.78,1751.97 2283.46,1771.65 2513.65,1771.65 2533.34,1791.34 U7.42@2787.4,1791.34
SD10: U5.A7 U7.43 | length 492.4
  Top Layer w8: U5.A7@2303.15,1751.97 2514.97,1751.97 2534.65,1771.65 U7.43@2787.4,1771.65
SD11: U5.B8 U7.44 | length 539.9
  Top Layer w8: U5.B8@2263.78,1712.6 2283.46,1732.28 2517.28,1732.28 2536.97,1751.97 U7.44@2787.4,1751.97
SD12: U5.A8 U7.45 | length 492.4
  Top Layer w8: U5.A8@2303.15,1712.6 2518.6,1712.6 2538.28,1732.28 U7.45@2787.4,1732.28
SD13: U5.B10 U7.55 | length 809
  Top Layer w8: U5.B10@2263.78,1633.86 2283.46,1614.17 2428.83,1614.17 2568,1475 2922,1475 2952.76,1505.76 U7.55@2952.76,1547.24
SD14: U5.A11 U7.56 | length 786.8
  Top Layer w8: U5.A11@2303.15,1594.49 2426.51,1594.49 2561,1460 2929,1460 2972.44,1503.44 U7.56@2972.44,1547.24
SD15: U5.B11 U7.57 | length 860.8
  Top Layer w8: U5.B11@2263.78,1594.49 2283.46,1574.8 2425.2,1574.8 2555,1445 2938,1445 2992.13,1499.13 U7.57@2992.13,1547.24
SDMC_CD: J4.9 R30.2 U7.77 | length 1528
  Top Layer w8: v1(2965,2005) 2965,1882 3193.46,1653.54 U7.77@3433.07,1653.54
  Mid-Layer 1 w8: v1(2360,2345) 2420,2285 2572,2285 2852,2005 v1(2965,2005)
  Bottom Layer w8: v1(2360,2345) R30.2@2360,2375 ; R30.2@2364.54,2379.54 J4.9@2364.54,2446
SDMC_CLK: J4.5 R27.2 U7.80 | length 1327.2
  Top Layer w8: v1(3040,2025) 3040,1906.6 3234,1712.6 U7.80@3433.07,1712.6
  Mid-Layer 1 w8: v1(2538,2345) 2574,2345 2849,2070 2925,2070 2970,2025 v1(3040,2025)
  Bottom Layer w8: v1@2537.77,2345.23 J4.5@2537.77,2446
SDMC_CMD: J4.3 R26.2 U7.83 | length 1223.3
  Top Layer w8: v1(3065,2045) 3065,1944 3237.35,1771.65 U7.83@3433.07,1771.65
  Mid-Layer 1 w8: v1(2625,2345) 2625,2314 2854,2085 2930,2085 2970,2045 v1(3065,2045)
  Bottom Layer w8: v1@2624.39,2345.61 J4.3@2624.39,2446
SDMC_D0: J4.7 R28.2 U7.65 | length 1284
  Top Layer w8: v1(2915,2045) 2915,1862 3149.61,1627.39 U7.65@3149.61,1547.24
  Mid-Layer 1 w8: v1(2451,2345) 2479,2317 2582,2317 2854,2045 v1(2915,2045)
  Bottom Layer w8: v1@2451.16,2345.16 J4.7@2451.16,2446
SDMC_D1: J4.8 R29.2 U7.66 | length 1338.1
  Top Layer w8: v1(2940,2025) 2940,1871 3169.29,1641.71 U7.66@3169.29,1547.24
  Mid-Layer 1 w8: v1(2408,2345) 2452,2301 2577,2301 2853,2025 v1(2940,2025)
  Bottom Layer w8: v1@2407.85,2345.15 J4.8@2407.85,2446
SDMC_D2: J4.1 R24.2 U7.78 | length 1258.9
  Top Layer w8: v1(2990,2085) 2990,1892 3208.77,1673.23 U7.78@3433.07,1673.23
  Mid-Layer 1 w8: v1(2711,2345) 2711,2269 2865,2115 2960,2115 v1(2990,2085)
  Bottom Layer w8: v1(2711,2345) J4.1@2711,2446
SDMC_D3: J4.2 R25.2 U7.79 | length 1263
  Top Layer w8: v1(3015,2065) 3015,1901 3223.09,1692.91 U7.79@3433.07,1692.91
  Mid-Layer 1 w8: v1(2668,2345) 2668,2292 2860,2100 2935,2100 2970,2065 v1(3015,2065)
  Bottom Layer w8: v1@2667.69,2345.31 J4.2@2667.69,2446
SNBL0: U5.E8 U7.97 | length 1487.1
  Top Layer w8: U5.E8@2145.67,1712.6 v1(2165.36,1732.28) ; v1(3346.45,2047.24) U7.97@3433.07,2047.24
  Mid-Layer 1 w8: v1(2165.36,1732.28) 2183.36,1714.28 3092.24,1714.28 3346.45,1968.5 v1(3346.45,2047.24)
SNBL1: U5.C8 U7.98 | length 1410.8
  Top Layer w8: U5.C8@2224.41,1712.6 v1(2244.1,1732.28) ; v1(3326.77,2066.93) U7.98@3433.07,2066.93
  Mid-Layer 1 w8: v1(2244.1,1732.28) 3086.62,1732.28 3326.77,1972.43 v1(3326.77,2066.93)
SNOE: U5.E11 U7.85 | length 1393.4
  Top Layer w8: U5.E11@2145.67,1594.49 v1(2165.36,1574.8) ; v1(3326.77,1811.02) U7.85@3433.07,1811.02
  Mid-Layer 1 w8: v1(2165.36,1574.8) 2185.04,1594.49 3110.23,1594.49 v1(3326.77,1811.02)
SNWAIT: U5.C9 U7.87 | length 1314.7
  Top Layer w8: U5.C9@2224.41,1673.23 v1(2244.1,1653.54) ; v1(3326.77,1850.39) U7.87@3433.07,1850.39
  Mid-Layer 1 w8: v1(2244.1,1653.54) 2283.47,1653.54 2303.15,1633.86 3094.49,1633.86 3311.02,1850.39 v1(3326.77,1850.39)
SNWE: U5.D9 U7.86 | length 1362.2
  Top Layer w8: U5.D9@2185.04,1673.23 v1(2204.73,1653.54) ; v1(3346.45,1830.71) U7.86@3433.07,1830.71
  Mid-Layer 1 w8: v1(2204.73,1653.54) 2224.41,1633.86 2263.78,1633.86 2283.46,1614.17 3102.36,1614.17 3318.9,1830.71 v1(3346.45,1830.71)
SPCLK: CN1.A7
SPI2_MOSI: U5.A10 U7.54 | length 736.8
  Top Layer w8: U5.A10@2303.15,1633.86 2429.14,1633.86 2573,1490 2916,1490 2933.07,1507.07 U7.54@2933.07,1547.24
SPI2_NSS: U5.A9 U7.51 | length 623.1
  Top Layer w8: U5.A9@2303.15,1673.23 2430.77,1673.23 2556.76,1547.24 U7.51@2874.02,1547.24
SPI2_SCK: U5.B9 U7.52 | length 738.9
  Top Layer w8: U5.B9@2263.78,1673.23 2284.01,1653 2430,1653 2578,1505 2888.63,1505 2893.7,1510.07 U7.52@2893.7,1547.24
SR_CS: U5.R3 U13.1 | length 936.3
  Top Layer w8: v1(1040.63,2180) 1063.37,2180 1314.24,1929.13 1732.28,1929.13 U5.R3@1751.97,1909.45
  Bottom Layer w8: U13.1@940.12,2210 1010.63,2210 v1(1040.63,2180)
SSEL: CN1.B3 U4.13 | length 1158.1
  Top Layer w8: CN1.B3@669.29,157.48 669.29,354.92 v1(709.37,395) ; v1(1434.21,665) U4.13@1434.21,732.28
  Mid-Layer 1 w8: v1(709.37,395) 816.37,502 1271.21,502 v1(1434.21,665)
SWCK: J2.4 R4.1 U7.76 | length 1485.1
  Top Layer w8: R4.1@3300,2720 J2.4@3300,2875 ; v1@3375,1633.86 U7.76@3433.07,1633.86
  Mid-Layer 1 w8: J2.4@3300,2875 3300,2237 3375,2162 v1(3375,1634)
SWIO: J2.3 R3.1 U7.72 | length 1604
  Top Layer w8: U7.72@3287.4,1547.24 3287.4,1617.4 v1(3300,1630) ; R3.1@3400,2720 J2.3@3400,2875
  Mid-Layer 1 w8: v1(3300,1630) 3320,1610 3379,1610 3400,1631 J2.3@3400,2875
SYSRES: CN1.A3 U4.2 | length 965
  Top Layer w8: v1(1217.68,665) U4.2@1217.68,732.28
  Mid-Layer 1 w8: v1(669.29,394.92) 803.37,529 1081.68,529 v1(1217.68,665)
  Bottom Layer w8: CN1.A3@669.29,157.48 v1(669.29,394.92)
TCK: J3.1 U5.H3 | length 1087.9
  Top Layer w8: U5.H3@2027.56,1909.45 v1(2047.24,1929.13)
  Mid-Layer 1 w8: J3.1@1771.65,2875 1952.76,2693.9 1952.76,2094.49 2047.24,2000 v1(2047.24,1929.13)
TDI: J3.9 U5.H4 | length 1458.9
  Top Layer w8: U5.H4@2027.56,1870.08 v1(2047.24,1889.76)
  Mid-Layer 1 w8: v1(1760,2695) 1929.13,2525.87 1929.13,2082.68 2023.62,1988.19 2023.62,1913.39 v1(2047.24,1889.76)
  Bottom Layer w8: J3.9@1371.65,2875 1421.65,2825 1705,2825 1722,2808 1722,2733 v1(1760,2695)
TDO: J3.3 U5.J4 | length 1191.3
  Top Layer w8: J3.3@1671.65,2875 1623,2826.35 1623,2617 v1(1680,2560) ; v1(1968.5,1889.76) U5.J4@1988.19,1870.08
  Mid-Layer 1 w8: v1(1680,2560) 1889.76,2350.24 1889.76,2051.18 1986.5,1954.44 1986.5,1907.76 v1(1968.5,1889.76)
TMS: J3.5 U5.J5 | length 1294.6
  Top Layer w8: v1(1968.5,1850.39) U5.J5@1988.19,1830.71
  Mid-Layer 1 w8: J3.5@1571.65,2875 1623,2823.65 1706.35,2823.65 1722,2808 1722,2628 1909.45,2440.55 1909.45,2066.93 2003.44,1972.94 2003.44,1885.33 v1(1968.5,1850.39)
USB_DM: R22.2 U7.70 | length 438.9
  Top Layer w8: U7.70@3248.03,1547.24 v1@3248.03,1599.97 ; v1(3575,1600) R22.2@3620,1600
  Mid-Layer 1 w8: v1(3248,1600) 3265,1583 3558,1583 v1(3575,1600)
USB_DP: R23.2 U7.71 | length 429.4
  Top Layer w8: v1(3267.72,1500) U7.71@3267.72,1547.24 ; v1(3575,1542) R23.2@3620,1542
  Mid-Layer 1 w8: v1(3267.72,1500) 3324.72,1557 3560,1557 v1(3575,1542)
USB_ID: J1.4 U7.69 | length 1428.1
  Top Layer w8: v1(3228.35,1500) U7.69@3228.35,1547.24
  Mid-Layer 1 w8: v1(3228.35,1500) 3254.35,1474 3677,1474 3803,1600 3803,2237 v1(3830,2264)
  Bottom Layer w8: v1(3830,2264) 3849.5,2283.5 J1.4@3890,2283.5
pads on no net: CN1.A9 CN1.A10 CN1.A11 CN1.A12 CN1.A14 CN1.A15 CN1.A16 CN1.A17 CN1.A19 CN1.A20 CN1.A21 CN1.A22 CN1.A24 CN1.A25 CN1.A26 CN1.A28 CN1.A30 CN1.A31 CN1.A66 CN1.B4 CN1.B5 CN1.B6 CN1.B9 CN1.B10 CN1.B11 CN1.B12 CN1.B14 CN1.B15 CN1.B16 CN1.B17 CN1.B19 CN1.B20 CN1.B21 CN1.B22 CN1.B24 CN1.B25 CN1.B26 CN1.B28 CN1.B30 J3.6 J3.7 J3.8 J4.MH1 J4.MH2 U1.19 U1.30 U4.19 U4.20 U4.29 U4.30 U5.B1 U5.C2 U5.C3 U5.D1 U5.D3 U5.D4 U5.E5 U5.E6 U5.E10 U5.E15 U5.F2 U5.F3 U5.F5 U5.F6 U5.F7 U5.F8 U5.F9 U5.F10 U5.G2 U5.G5 U5.J6 U5.K8 U5.K9 U5.K10 U5.K11 U5.L7 U5.L11 U5.M2 U5.M11 U6.40 U7.8 U7.9 U7.15 U7.16 U7.17 U7.18 U7.22 U7.23 U7.24 U7.34 U7.46 U7.53 U7.67 U7.68 Y1.1

## Polygon pours and split planes (outlines as drawn)
GND on Bottom Layer "Bot-GND" (solid, remove dead copper, pour order 6): 0,307.09 4055.12,307.09 4055.12,2952.76 0,2952.76
GND on Top Layer "Top-GND" (solid, remove dead copper, pour order 2): 0,307.09 4055.12,307.09 4055.12,2952.76 0,2952.76 0,307.09
GND on Mid-Layer 1 "Mid-GND" (solid, remove dead copper, pour order 4): 0,307.09 4055.12,307.09 4055.12,2952.76 0,2952.76
GND on Ground Plane 1 (split plane): 4035.02,1929.55 3956.69,1929.55 3952.77,1929.16 3949,1928.02 3945.53,1926.16 3942.48,1923.66 3939.98,1920.61 3938.13,1917.14 3936.98,1913.37 3936.6,1909.45 3936.6,1594.49 3936.98,1590.57 3938.13,1586.8 3939.98,1583.32 3942.48,1580.28 3945.53,1577.78 3949,1575.92 3952.77,1574.78 3956.69,1574.39 4035.02,1574.39 4035.02,886.24 3818.9,886.24 3814.98,885.85 3811.21,884.71 3807.73,882.85 3804.69,880.35 3802.19,877.31 3800.33,873.83 3799.19,870.06 3798.8,866.14 3798.8,492.54 3511.81,492.54 3507.89,492.15 3504.12,491.01 3500.65,489.15 3497.6,486.65 3495.1,483.61 3493.24,480.13 3492.1,476.36 3491.71,472.44 3491.71,20.1 2264.19,20.1 2264.19,472.44 2263.81,476.36 2262.66,480.13 2260.8,483.61 2258.31,486.65 2255.26,489.15 2251.79,491.01 2248.02,492.15 2244.09,492.54 2007.87,492.54 2003.95,492.15 2000.18,491.01 1996.71,489.15 1993.66,486.65 1991.16,483.61 1989.31,480.13 1988.16,476.36 1987.78,472.44 1987.78,20.1 563.4,20.1 563.4,472.44 563.02,476.36 561.87,480.13 560.02,483.61 557.52,486.65 554.47,489.15 551,491.01 547.23,492.15 543.31,492.54 276,492.54 276,866.14 275.62,870.06 274.47,873.83 272.62,877.31 270.12,880.35 267.07,882.85 263.6,884.71 259.83,885.85 255.91,886.24 20.1,886.24 20.1,1574.39 98.43,1574.39 102.35,1574.78 106.12,1575.92 109.59,1577.78 112.64,1580.28 115.14,1583.32 116.99,1586.8 118.14,1590.57 118.52,1594.49 118.52,1909.45 118.14,1913.37 116.99,1917.14 115.14,1920.61 112.64,1923.66 109.59,1926.16 106.12,1928.02 102.35,1929.16 98.43,1929.55 20.1,1929.55 20.1,2932.66 4035.02,2932.66

## Keep-outs
Keep-Out Layer:
  the board outline again, w10

## Silkscreen, mask and mechanical layers (free items; w line width, h text height)
Top Overlay:
  text "G" at 3190,2780 h30
  text "C" at 3290,2780 h30
  text "D" at 3390,2780 h30
  text "T" at 3490,2780 h30
  text "R" at 3590,2780 h30
Bottom Overlay:
  text "SAROO V1.3" at 2160,2440 h120

## Text inside footprints (layer, text, board x,y; h text height)
J3: Top Overlay "1" at 1838.58,2871.06 h30